# Altium PCB Minion.PcbDoc (part 9 of 10)
Units mm, origin at the board's own origin, x right, y up, seen from the top; angles counter-clockwise.
Board outline 250 x 250 mm, 4 copper layers (Top Layer, Mid-Top Layer, Mid-Bottom Layer, Bottom Layer); 557 components, 153 nets, 5229 pads, 7984 vias.
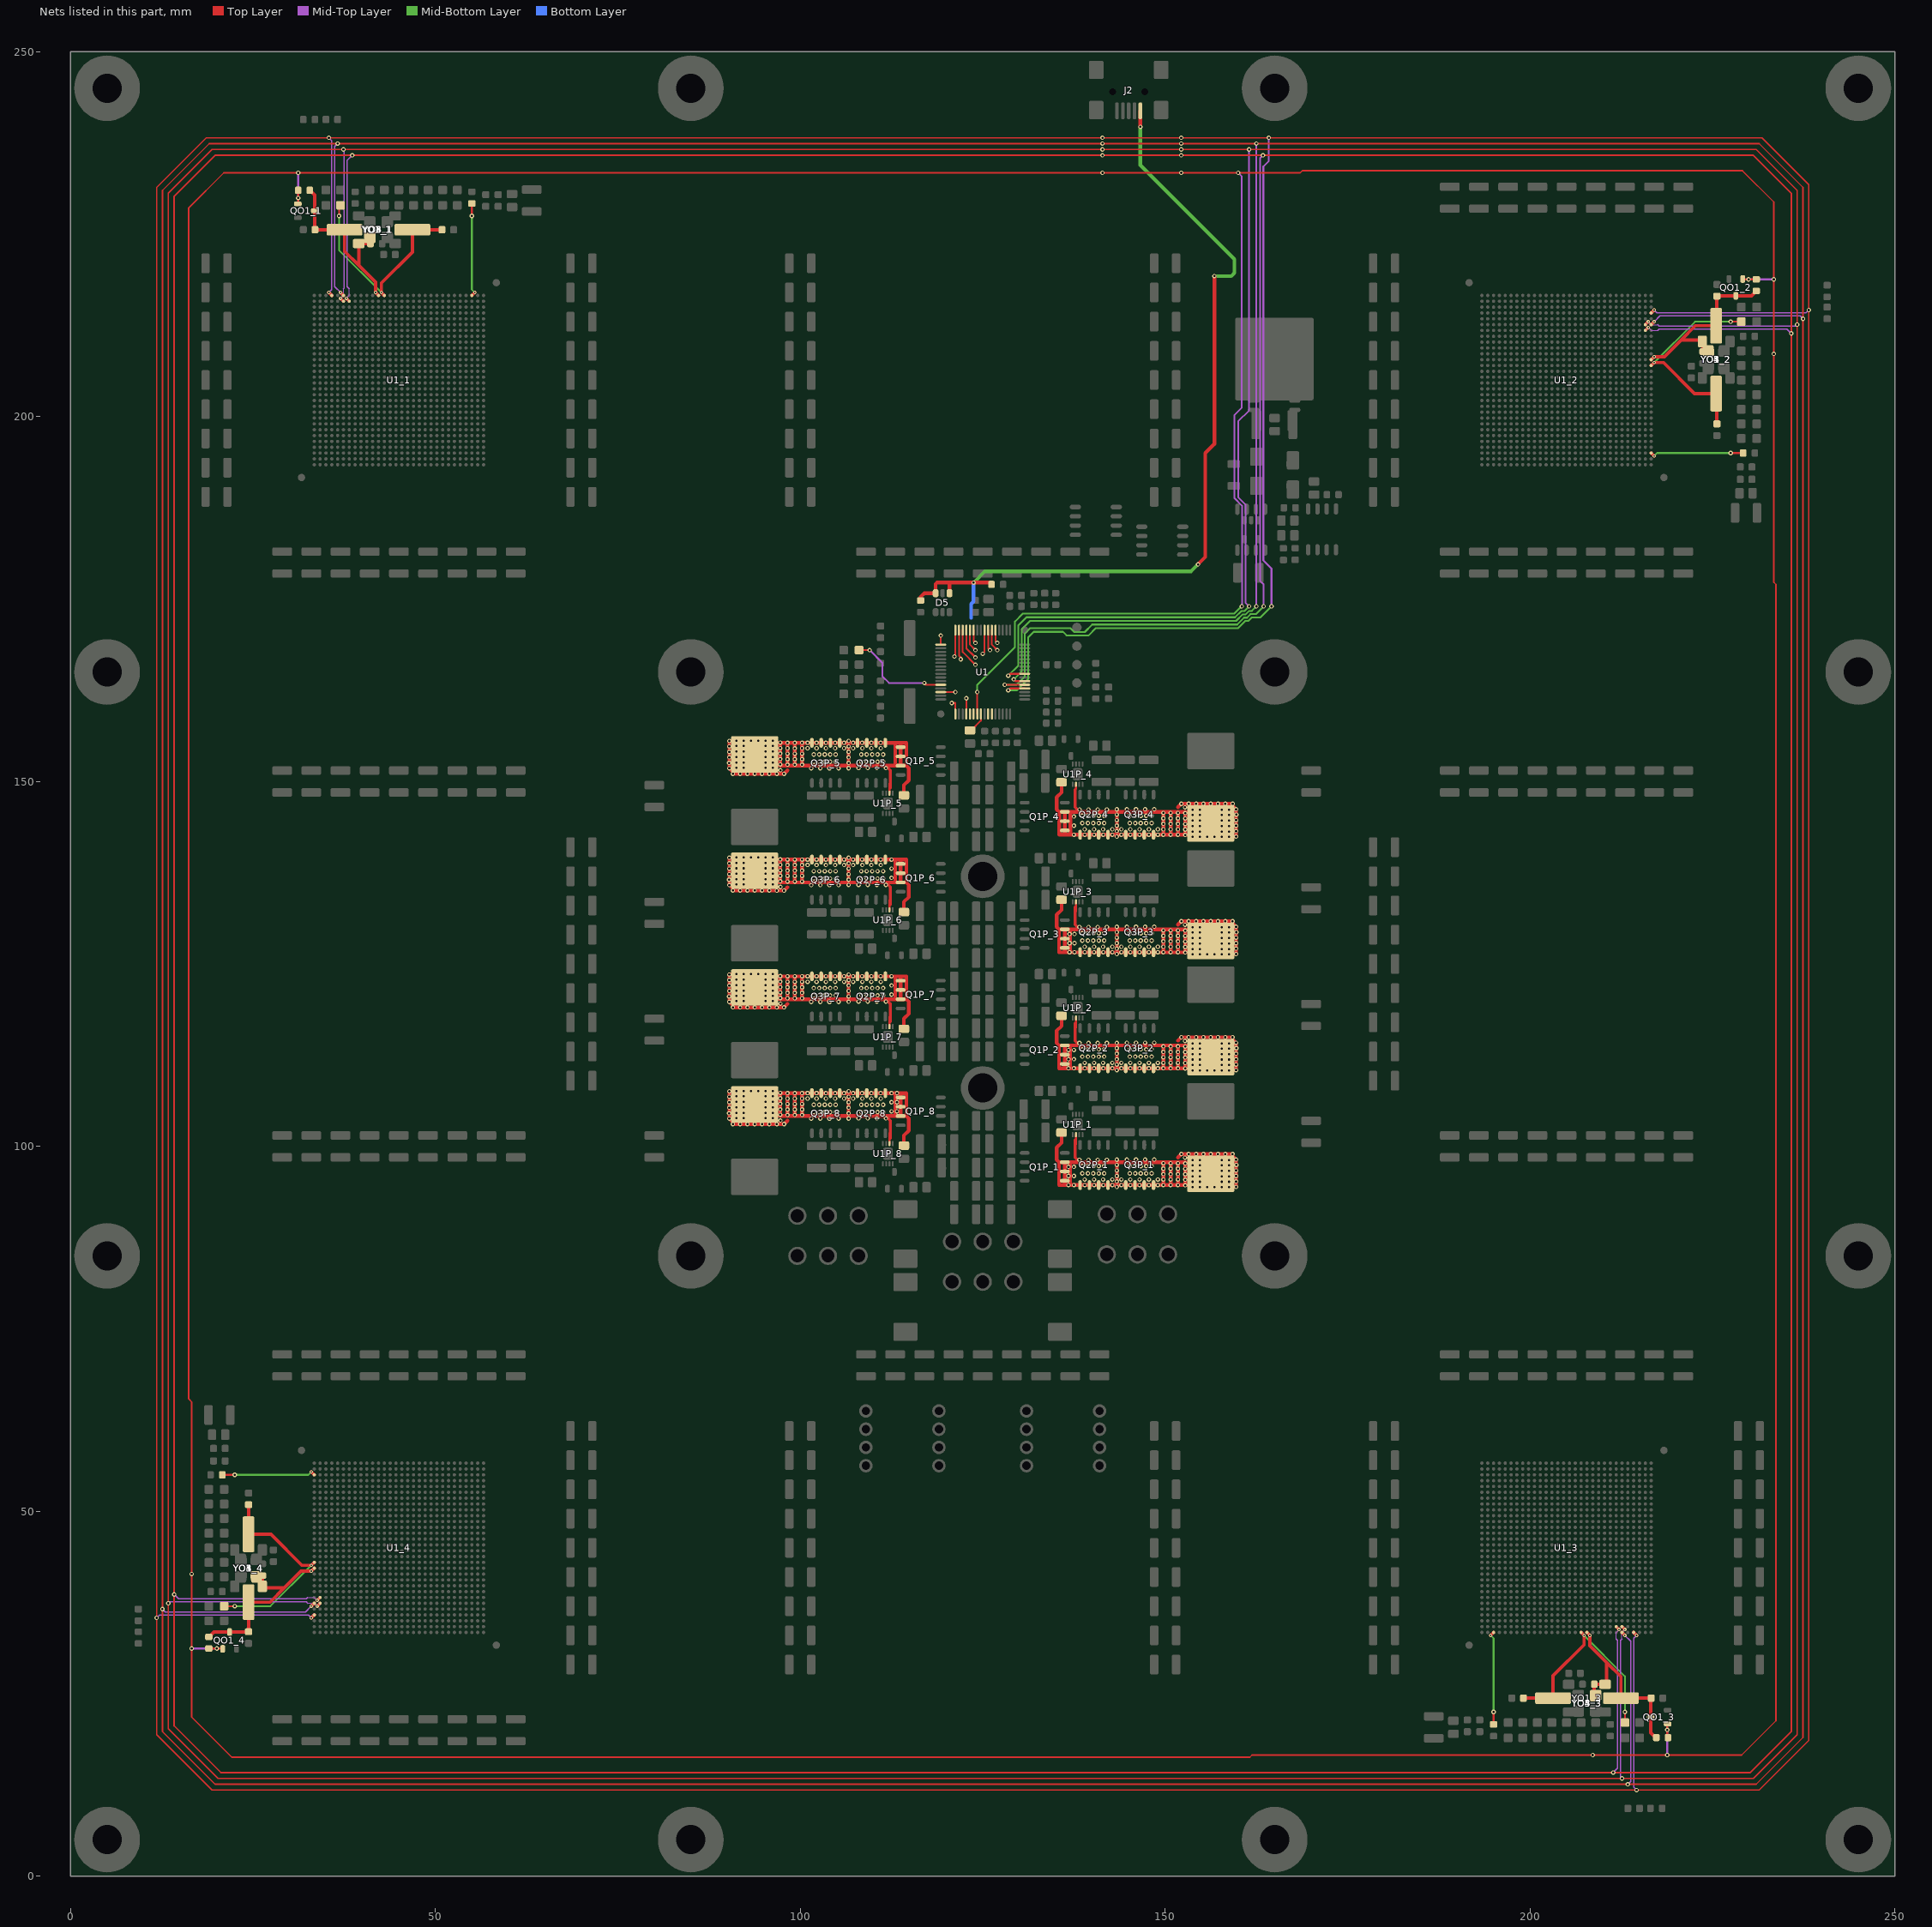
[diagram p11: the nets of this part, all layers, seen from the top]

## Via types
v1: diameter 0.6, hole 0.3, Top Layer to Bottom Layer, tented both sides, 4384 vias
v2: diameter 0.45, hole 0.2, Top Layer to Bottom Layer, tented both sides, 3600 vias

## Nets (pads, with @x,y where several pads share a name; then routed paths per layer and width w, separated by ;. In a path a pad name is that pad's centre, name@x,y a point inside that pad or via, vN(x,y) a via of type N, cw(c..) or ccw(c..) an arc to the next point about the centre after c; other vN are vias at no path point) (continued)
SPI_CS: U1.8 U1_1.AJ25 U1_2.AJ25 U1_3.AJ25 U1_4.AJ25 | length 1070.6
  Top Layer w0.2: 13.4,20.2 20.2,13.4 v1(212.6,13.4) 230.6,13.4 236.6,19.4 236.6,231 231,236.6 v1(141.4,236.6) v1(37.4,236.6) 19.4,236.6 13.4,230.6 v1(13.4,37.4) 13.4,20.2
  Top Layer w0.25: v1(128.5,164.5) 128.75,164.75 U1.8@130.75,164.75
  Mid-Top Layer w0.1: 32.5,37.4 33.4,37.4 v2(33.8,37) ; v2(37,216.2) 37.4,216.6 37.4,217.5 ; 212.6,33.4 v2(213,33.8) 212.6,33.4 ; 212.6,33.4 212.6,32.5 212.6,33.4 ; 216.6,212.6 v2(216.2,213) 216.6,212.6 ; 216.6,212.6 217.5,212.6 216.6,212.6
  Mid-Top Layer w0.2: v1(13.4,37.4) 13.6,37.6 32.3,37.6 32.5,37.4 ; 37.4,217.5 37.5,217.6 37.5,236.5 v1(37.4,236.6) ; v1(212.6,13.4) 212.4,13.6 212.4,32.3 212.6,32.5 ; 217.5,212.6 217.7,212.4 236.4,212.4 v1(236.6,212.6)
  Mid-Top Layer w0.25: v1(161.5,174) 161,174.5 161,187.936 160,188.936 160,199.34 161.5,200.84 v1(161.5,236.6)
  Mid-Bottom Layer w0.25: v1(128.5,164.5) 129.875,165.875 129.875,171.375 131,172.5 159.591,172.5 160.441,173.35 160.85,173.35 v1(161.5,174)
  other v1: 152.2,236.6
SPI_MISO: U1.5 U1_1.AJ24 U1_2.AJ24 U1_3.AJ24 U1_4.AJ24 | length 1066
  Top Layer w0.2: 140.6,235.8 v1(163.4,235.8) 230.6,235.8 235.8,230.6 235.8,19.8 230.2,14.2 v1(211.4,14.2) 20.6,14.2 14.2,20.6 v1(14.2,38.6) 14.2,230.2 19.8,235.8 v1(38.6,235.8) v1(141.4,235.8)
  Top Layer w0.25: v1(128,163.25) U1.5@130.75,163.25
  Mid-Top Layer w0.1: 32.5,38.2 33.4,38.2 v2(33.8,37.8) ; v2(37.8,216.2) 38.2,216.6 38.2,217.5 ; 211.8,33.4 v2(212.2,33.8) 211.8,33.4 ; 211.8,33.4 211.8,32.5 211.8,33.4 ; 216.6,211.8 217.5,211.8 216.6,211.8 ; 216.6,211.8 v2(216.2,212.2) 216.6,211.8
  Mid-Top Layer w0.2: v1(14.2,38.6) 14.8,38 32.3,38 32.5,38.2 ; 38.2,217.5 37.9,217.8 37.9,235.1 v1(38.6,235.8) ; v1(211.4,14.2) 212,14.8 212,32.3 211.8,32.5 ; 217.5,211.8 217.7,212 235.2,212 v1(235.8,211.4)
  Mid-Top Layer w0.25: v1(163.4,235.8) 163,235.4 163,177.5 163.5,177 v1(163.5,174)
  Mid-Bottom Layer w0.25: v1(128,163.25) 129.65,163.25 130.775,164.375 130.775,170.275 131.5,171 137,171 137.525,170.475 138.975,170.475 140,171.5 159.864,171.5 160.814,172.45 161.223,172.45 161.698,172.925 162.425,172.925 v1(163.5,174)
  other v1: 152.2,235.8
SPI_MOSI: U1.6 U1_1.AK25 U1_2.AK25 U1_3.AK25 U1_4.AK25 | length 1114
  Top Layer w0.2: 12.6,19.8 19.8,12.6 v1(213.4,12.6) 231,12.6 237.4,19 237.4,231.4 231.4,237.4 v1(141.4,237.4) v1(36.6,237.4) 19,237.4 12.6,231 v1(12.6,36.6) 12.6,19.8
  Top Layer w0.25: v1(129.25,164) 129.5,163.75 U1.6@130.75,163.75
  Mid-Top Layer w0.2: v1(12.6,36.6) 13,36.2 32.2,36.2 v2(33,37) ; v1(36.6,237.4) 36.2,237 36.2,217.8 v2(37,217) ; v1(213.4,12.6) 213.8,13 ; 237,213.8 217.8,213.8 v2(217,213) 217.8,213.8 237,213.8 v1(237.4,213.4) ; 213.8,13 213.8,32.2 ; 213.8,13 213.8,32.2 ; 213.8,32.2 v2(213,33) 213.8,32.2
  Mid-Top Layer w0.25: v1(162.5,174) v1(162.5,237.4)
  Mid-Bottom Layer w0.25: v1(129.25,164) 130.325,165.075 130.325,170.825 131.5,172 159.727,172 160.627,172.9 161.036,172.9 161.511,173.375 161.875,173.375 v1(162.5,174)
  other v1: 152.2,237.4
SPI_SCK: U1.4 U1_1.AK27 U1_2.AK27 U1_3.AK27 U1_4.AK27 | length 1129.4
  Top Layer w0.2: 11.8,19.4 19.4,11.8 v1(214.6,11.8) 231.4,11.8 238.2,18.6 238.2,231.8 231.8,238.2 v1(141.4,238.2) v1(35.4,238.2) 18.6,238.2 11.8,231.4 v1(11.8,35.4) 11.8,19.4
  Top Layer w0.25: v1(128.5,162.5) 128.75,162.75 U1.4@130.75,162.75
  Mid-Top Layer w0.2: v1(11.8,35.4) 12.2,35.8 32.6,35.8 v2(33,35.4) ; v2(35.4,217) 35.8,217.4 35.8,237.8 v1(35.4,238.2) ; v1(214.6,11.8) 214.2,12.2 ; v1(238.2,214.6) 237.8,214.2 ; 214.2,12.2 214.2,32.6 ; 214.2,12.2 214.2,32.6 ; 214.2,32.6 v2(214.6,33) 214.2,32.6 ; 217.4,214.2 v2(217,214.6) 217.4,214.2 ; 217.4,214.2 237.8,214.2 ; 217.4,214.2 237.8,214.2
  Mid-Top Layer w0.25: v1(164.2,238.2) 164.2,235 163.45,234.25 163.45,180.284 164.57,179.164 v1(164.57,174)
  Mid-Bottom Layer w0.25: v1(128.5,162.5) 129.7,162.5 131.225,164.025 131.225,169.725 132,170.5 136,170.5 136.475,170.025 139.525,170.025 140.5,171 160,171 161,172 161.409,172 161.884,172.475 163.045,172.475 v1(164.57,174)
  other v1: 152.2,238.2
SWN1: C3P_1.2 L1P_1.1 pad.0@136.25,96.565 Q1P_1.1 Q1P_1.2 Q1P_1.3 Q2P_1.5 Q2P_1.6 Q2P_1.7 Q2P_1.8 Q3P_1.5 Q3P_1.6 Q3P_1.7 Q3P_1.8 U1P_1.2 | length 111
  Top Layer w0.25: 137.67,100.15 137.775,100.255 U1P_1.2@137.775,101.6
  Top Layer w0.4: 137.675,98.475 138.315,97.835 138.5,97.65
  Top Layer w0.45: 137.67,98.48 137.67,100.15 137.67,100.855
  Top Layer w0.5: C3P_1.2@135.8,101.9 135.8,100.5 135.125,99.825 135.125,98.182 135.472,97.835 ; v1@137,94.855 137,97.835 ; 151.75,98.475 v1(152.225,98.95) v1(154.25,98.95) v1(155.25,98.95) v1(156.25,98.95) v1(157.25,98.95) v1(158.25,98.95) 158.975,98.95 v1(159.725,98.2) v1(159.725,96.7) v1(159.725,95.95) v1(159.725,95.2) v1(159.725,94.45) 158.025,94.45 L1P_1.1@156.25,96.225 L1P_1.1@154.725,94.7 ; v1@152.75,94.7 v1(151.75,94.7) ; v1@152.75,97.835 v1@151.75,97.835 ; v1(153.75,94.4) L1P_1.1@153.75,97.535 ; L1P_1.1@154.64,97.81 152.75,97.81 v1(152.75,94.675) L1P_1.1@154.725,94.675 ; v1(154.75,94.4) L1P_1.1@154.75,97.535 ; v1(154.75,98.1) L1P_1.1@156.75,98.1 ; v1(157.75,94.4) L1P_1.1@157.75,97.535 ; L1P_1.1@158.36,96.49 L1P_1.1@156.75,98.1 ; v1(158.75,94.4) L1P_1.1@158.75,97.535 ; L1P_1.1@159.475,98.1 v1(158.75,98.1) v1(157.75,98.1) L1P_1.1@156.75,98.1 ; 135.472,97.835 Q1P_1.3@136.25,97.835 ; 135.472,97.835 135.472,94.7 136.25,94.7 ; 136.25,94.7 v1@143.378,94.7 ; 136.25,94.7 Q1P_1.2@136.25,96.565 Q1P_1.3@136.25,97.835 ; Q1P_1.3@136.25,97.835 137,97.835 ; 137,97.835 138.315,97.835 143.378,97.835 ; v1@143.378,94.7 143.378,97.835 ; v1@143.378,94.7 v1(149.75,94.7) ; 143.378,97.835 v1@149.75,97.835 ; v1(149.75,94.7) v1@149.75,97.835 ; v1(149.75,94.7) v1(150.75,94.7) ; v1@149.75,97.835 v1@150.75,97.835 ; v1(150.75,94.7) v1@150.75,97.835 ; v1(150.75,94.7) v1(151.75,94.7) ; v1@150.75,97.835 v1@151.75,97.835 ; v1(151.75,94.7) v1@151.75,97.835
  other v1: 155.75,94.4 156.75,94.4 143.378,94.45 136.75,94.7 137.5,94.7 138.985,94.7 140.255,94.7 141.525,94.7 142.75,94.7 144,94.7 145.23,94.7 146.5,94.7 147.77,94.7 149,94.7 153.75,95.15 154.75,95.15 157.75,95.15 158.75,95.15 143.378,95.2 152.75,95.425 138.975,95.45 140.255,95.45 141.5,95.45 142.75,95.45 144,95.45 145.23,95.45 146.5,95.45 147.77,95.45 149,95.45 149.75,95.45 150.75,95.45 151.75,95.45 153.75,95.9 154.75,95.9 157.75,95.9 158.75,95.9 136.75,95.95 137.5,95.95 143.378,95.95 152.75,96.175 149.75,96.2 150.75,96.2 151.75,96.2 138.65,96.3 139.4,96.3 140.15,96.3 140.9,96.3 141.65,96.3 145.15,96.3 145.9,96.3 146.65,96.3 147.4,96.3 148.15,96.3 153.75,96.65 154.75,96.65 157.75,96.65 158.75,96.65 143.378,96.7 152.75,96.925 149.75,96.95 150.75,96.95 151.75,96.95 136.75,97.2 137.5,97.2 138.65,97.3 139.4,97.3 140.15,97.3 140.9,97.3 141.65,97.3 145.15,97.3 145.9,97.3 146.65,97.3 147.4,97.3 148.15,97.3 153.75,97.4 154.75,97.4 157.75,97.4 158.75,97.4 143.378,97.45 159.75,97.45 152.75,97.675 149.75,97.7 150.75,97.7 151.75,97.7 153.75,98.1 138.255,98.165 139.505,98.165 140.755,98.165 142.005,98.165 143.378,98.182 144.75,98.2 146,98.2 147.25,98.2 148.5,98.2 152.725,98.45 153.225,98.95 159.25,98.95
SWN2: C3P_2.2 L1P_2.1 pad.0@136.25,112.565 Q1P_2.1 Q1P_2.2 Q1P_2.3 Q2P_2.5 Q2P_2.6 Q2P_2.7 Q2P_2.8 Q3P_2.5 Q3P_2.6 Q3P_2.7 Q3P_2.8 U1P_2.2 | length 110.9
  Top Layer w0.25: 137.775,116.28 U1P_2.2@137.775,117.625
  Top Layer w0.4: 137.675,114.475 138.315,113.835 138.5,113.65
  Top Layer w0.45: 137.67,114.48 137.67,116.855
  Top Layer w0.5: C3P_2.2@135.8,117.9 135.8,116.5 135.125,115.825 135.125,114.182 135.472,113.835 ; v1@137,110.855 137,113.835 ; 151.75,114.475 152.225,114.95 v1(154.25,114.95) v1(155.25,114.95) v1(156.25,114.95) v1(157.25,114.95) v1(158.25,114.95) 158.975,114.95 v1(159.725,114.2) v1(159.725,112.7) v1(159.725,111.95) v1(159.725,111.2) v1(159.725,110.45) 158.025,110.45 L1P_2.1@156.25,112.225 L1P_2.1@154.725,110.7 ; v1@152.75,110.7 v1(151.75,110.7) ; v1@152.75,113.835 v1@151.75,113.835 ; v1(153.75,110.4) L1P_2.1@153.75,113.535 ; L1P_2.1@154.64,113.81 152.75,113.81 v1(152.75,110.675) L1P_2.1@154.725,110.675 ; v1(154.75,110.4) L1P_2.1@154.75,113.535 ; v1(154.75,114.1) 155.75,114.1 L1P_2.1@156.75,114.1 ; v1(157.75,110.4) L1P_2.1@157.75,113.535 ; L1P_2.1@158.36,112.49 L1P_2.1@156.75,114.1 ; v1(158.75,110.4) L1P_2.1@158.75,113.535 ; L1P_2.1@159.475,114.1 v1(158.75,114.1) v1(157.75,114.1) L1P_2.1@156.75,114.1 ; 135.472,113.835 135.472,110.7 136.25,110.7 ; 135.472,113.835 Q1P_2.3@136.25,113.835 ; 136.25,110.7 136.25,111.295 pad.0@136.25,112.565 Q1P_2.3@136.25,113.835 ; 136.25,110.7 Q2P_2.5@138.35,110.7 Q2P_2.6@139.62,110.7 Q2P_2.7@140.89,110.7 Q2P_2.8@142.16,110.7 v1@143.378,110.7 ; Q1P_2.3@136.25,113.835 137,113.835 ; 137,113.835 138.315,113.835 143.378,113.835 ; v1@143.378,110.7 Q3P_2.5@144.595,110.7 Q3P_2.6@145.865,110.7 Q3P_2.7@147.135,110.7 Q3P_2.8@148.405,110.7 v1(149.75,110.7) ; v1@143.378,110.7 143.378,113.835 ; 143.378,113.835 v1@149.75,113.835 ; v1(149.75,110.7) v1(150.75,110.7) ; v1(149.75,110.7) v1@149.75,113.835 ; v1@149.75,113.835 v1@150.75,113.835 ; v1(150.75,110.7) v1(151.75,110.7) ; v1(150.75,110.7) v1@150.75,113.835 ; v1@150.75,113.835 v1@151.75,113.835 ; v1(151.75,110.7) v1@151.75,113.835
  other v1: 155.75,110.4 156.75,110.4 143.378,110.45 136.75,110.7 137.5,110.7 138.985,110.7 140.255,110.7 141.525,110.7 142.75,110.7 144,110.7 145.23,110.7 146.5,110.7 147.77,110.7 149,110.7 153.75,111.15 154.75,111.15 157.75,111.15 158.75,111.15 143.378,111.2 152.75,111.425 138.975,111.45 140.255,111.45 141.5,111.45 142.75,111.45 144,111.45 145.23,111.45 146.5,111.45 147.77,111.45 149,111.45 149.75,111.45 150.75,111.45 151.75,111.45 153.75,111.9 154.75,111.9 157.75,111.9 158.75,111.9 136.75,111.95 137.5,111.95 143.378,111.95 152.75,112.175 149.75,112.2 150.75,112.2 151.75,112.2 138.65,112.3 139.4,112.3 140.15,112.3 140.9,112.3 141.65,112.3 145.15,112.3 145.9,112.3 146.65,112.3 147.4,112.3 148.15,112.3 153.75,112.65 154.75,112.65 157.75,112.65 158.75,112.65 143.378,112.7 152.75,112.925 149.75,112.95 150.75,112.95 151.75,112.95 136.75,113.2 137.5,113.2 138.65,113.3 139.4,113.3 140.15,113.3 140.9,113.3 141.65,113.3 145.15,113.3 145.9,113.3 146.65,113.3 147.4,113.3 148.15,113.3 153.75,113.4 154.75,113.4 157.75,113.4 158.75,113.4 143.378,113.45 159.75,113.45 152.75,113.675 149.75,113.7 150.75,113.7 151.75,113.7 153.75,114.1 138.255,114.165 139.505,114.165 140.755,114.165 142.005,114.165 143.378,114.182 144.75,114.2 146,114.2 147.25,114.2 148.5,114.2 152.725,114.45 152.225,114.95 153.225,114.95 159.25,114.95
SWN3: C3P_3.2 L1P_3.1 pad.0@136.25,128.465 Q1P_3.1 Q1P_3.2 Q1P_3.3 Q2P_3.5 Q2P_3.6 Q2P_3.7 Q2P_3.8 Q3P_3.5 Q3P_3.6 Q3P_3.7 Q3P_3.8 U1P_3.2 | length 110.9
  Top Layer w0.25: 137.775,132.18 U1P_3.2@137.775,133.525
  Top Layer w0.4: 137.675,130.375 138.315,129.735 138.5,129.55
  Top Layer w0.45: 137.67,130.38 137.67,132.755
  Top Layer w0.5: C3P_3.2@135.8,133.8 135.8,132.4 135.125,131.725 135.125,130.082 135.472,129.735 ; v1@137,126.755 137,129.735 ; 151.75,130.375 v1(152.225,130.85) v1(154.25,130.85) v1(155.25,130.85) v1(156.25,130.85) v1(157.25,130.85) v1(158.25,130.85) 158.975,130.85 v1(159.725,130.1) v1(159.725,128.6) v1(159.725,127.85) v1(159.725,127.1) v1(159.725,126.35) 158.025,126.35 156.25,128.125 L1P_3.1@154.725,126.6 ; v1@152.75,126.6 v1(151.75,126.6) ; v1@152.75,129.735 v1@151.75,129.735 ; v1(153.75,126.3) L1P_3.1@153.75,129.435 ; L1P_3.1@154.64,129.71 152.75,129.71 v1(152.75,126.575) L1P_3.1@154.725,126.575 ; v1(154.75,126.3) L1P_3.1@154.75,129.435 ; v1(154.75,130) 155.75,130 L1P_3.1@156.75,130 ; v1(157.75,126.3) L1P_3.1@157.75,129.435 ; L1P_3.1@158.36,128.39 L1P_3.1@156.75,130 ; v1(158.75,126.3) L1P_3.1@158.75,129.435 ; L1P_3.1@159.475,130 v1(158.75,130) v1(157.75,130) L1P_3.1@156.75,130 ; 135.472,129.735 135.472,126.6 136.25,126.6 ; 135.472,129.735 Q1P_3.3@136.25,129.735 ; 136.25,126.6 Q1P_3.1@136.25,127.195 Q1P_3.2@136.25,128.465 Q1P_3.3@136.25,129.735 ; 136.25,126.6 Q2P_3.5@138.35,126.6 Q2P_3.6@139.62,126.6 Q2P_3.7@140.89,126.6 Q2P_3.8@142.16,126.6 v1@143.378,126.6 ; Q1P_3.3@136.25,129.735 137,129.735 ; 137,129.735 138.315,129.735 143.378,129.735 ; v1@143.378,126.6 Q3P_3.5@144.595,126.6 Q3P_3.6@145.865,126.6 Q3P_3.7@147.135,126.6 Q3P_3.8@148.405,126.6 v1(149.75,126.6) ; v1@143.378,126.6 143.378,129.735 ; 143.378,129.735 v1@149.75,129.735 ; v1(149.75,126.6) v1(150.75,126.6) ; v1(149.75,126.6) v1@149.75,129.735 ; v1@149.75,129.735 v1@150.75,129.735 ; v1(150.75,126.6) v1(151.75,126.6) ; v1(150.75,126.6) v1@150.75,129.735 ; v1@150.75,129.735 v1@151.75,129.735 ; v1(151.75,126.6) v1@151.75,129.735
  other v1: 155.75,126.3 156.75,126.3 143.378,126.35 136.9,126.6 137.575,126.6 138.985,126.6 140.255,126.6 141.525,126.6 142.75,126.6 144,126.6 145.23,126.6 146.5,126.6 147.77,126.6 149,126.6 153.75,127.05 154.75,127.05 157.75,127.05 158.75,127.05 143.378,127.1 152.75,127.325 138.975,127.35 140.255,127.35 141.5,127.35 142.75,127.35 144,127.35 145.23,127.35 146.5,127.35 147.77,127.35 149,127.35 149.75,127.35 150.75,127.35 151.75,127.35 153.75,127.8 154.75,127.8 157.75,127.8 158.75,127.8 136.9,127.85 137.575,127.85 143.378,127.85 152.75,128.075 149.75,128.1 150.75,128.1 151.75,128.1 138.65,128.2 139.4,128.2 140.15,128.2 140.9,128.2 141.65,128.2 145.15,128.2 145.9,128.2 146.65,128.2 147.4,128.2 148.15,128.2 153.75,128.55 154.75,128.55 157.75,128.55 158.75,128.55 143.378,128.6 152.75,128.825 149.75,128.85 150.75,128.85 151.75,128.85 136.9,129.1 137.575,129.1 138.65,129.2 139.4,129.2 140.15,129.2 140.9,129.2 141.65,129.2 145.15,129.2 145.9,129.2 146.65,129.2 147.4,129.2 148.15,129.2 153.75,129.3 154.75,129.3 157.75,129.3 158.75,129.3 143.378,129.35 159.75,129.35 152.75,129.575 149.75,129.6 150.75,129.6 151.75,129.6 153.75,130 138.255,130.065 139.505,130.065 140.755,130.065 142.005,130.065 143.378,130.082 144.75,130.1 146,130.1 147.25,130.1 148.5,130.1 152.725,130.35 153.225,130.85 159.25,130.85
SWN4: C3P_4.2 L1P_4.1 pad.0@136.251,144.565 Q1P_4.1 Q1P_4.2 Q1P_4.3 Q2P_4.5 Q2P_4.6 Q2P_4.7 Q2P_4.8 Q3P_4.5 Q3P_4.6 Q3P_4.7 Q3P_4.8 U1P_4.2 | length 110.3
  Top Layer w0.25: 137.671,148.855 137.775,148.959 U1P_4.2@137.775,149.6
  Top Layer w0.4: 137.676,146.475 138.316,145.835 138.501,145.65
  Top Layer w0.45: 137.671,146.48 137.671,148.855
  Top Layer w0.5: C3P_4.2@135.8,149.9 135.8,148.5 135.126,147.825 135.126,146.182 135.473,145.835 ; 137,142.855 137,145.835 ; 151.75,146.475 v1(152.225,146.95) v1(154.25,146.95) v1(155.25,146.95) v1(156.25,146.95) v1(157.25,146.95) v1(158.25,146.95) 158.975,146.95 v1(159.725,146.2) v1(159.725,144.7) v1(159.725,143.95) v1(159.725,143.2) v1(159.725,142.45) 158.025,142.45 L1P_4.1@156.25,144.225 L1P_4.1@154.725,142.7 ; v1@152.75,142.7 v1(151.75,142.7) ; v1@152.75,145.835 v1@151.75,145.835 ; v1(153.75,142.4) L1P_4.1@153.75,145.535 ; L1P_4.1@154.64,145.81 152.75,145.81 v1(152.75,142.675) L1P_4.1@154.725,142.675 ; v1(154.75,142.4) L1P_4.1@154.75,145.535 ; v1(154.75,146.1) L1P_4.1@156.75,146.1 ; v1(157.75,142.4) L1P_4.1@157.75,145.535 ; L1P_4.1@158.36,144.49 L1P_4.1@156.75,146.1 ; v1(158.75,142.4) L1P_4.1@158.75,145.535 ; L1P_4.1@159.475,146.1 v1(158.75,146.1) v1(157.75,146.1) L1P_4.1@156.75,146.1 ; 135.473,145.835 135.473,142.7 136.25,142.7 ; 135.473,145.835 Q1P_4.3@136.251,145.835 ; 136.251,142.7 Q1P_4.1@136.251,143.295 Q1P_4.2@136.251,144.565 Q1P_4.3@136.251,145.835 ; 136.251,142.7 v1@143.378,142.7 ; Q1P_4.3@136.251,145.835 137,145.835 ; 137,145.835 138.316,145.835 143.378,145.835 ; v1@143.378,142.7 143.378,145.835 ; v1@143.378,142.7 v1(149.75,142.7) ; 143.378,145.835 v1@149.75,145.835 ; v1(149.75,142.7) v1(150.75,142.7) ; v1(149.75,142.7) v1@149.75,145.835 ; v1@149.75,145.835 v1@150.75,145.835 ; v1(150.75,142.7) v1(151.75,142.7) ; v1(150.75,142.7) v1@150.75,145.835 ; v1@150.75,145.835 v1@151.75,145.835 ; v1(151.75,142.7) v1@151.75,145.835
  other v1: 155.75,142.4 156.75,142.4 143.378,142.45 137.5,142.7 138.986,142.7 140.256,142.7 141.526,142.7 142.75,142.7 144,142.7 145.23,142.7 146.5,142.7 147.77,142.7 149,142.7 153.75,143.15 154.75,143.15 157.75,143.15 158.75,143.15 143.378,143.2 152.75,143.425 138.976,143.45 140.256,143.45 141.5,143.45 142.75,143.45 144,143.45 145.23,143.45 146.5,143.45 147.77,143.45 149,143.45 149.75,143.45 150.75,143.45 151.75,143.45 153.75,143.9 154.75,143.9 157.75,143.9 158.75,143.9 137.5,143.95 143.378,143.95 152.75,144.175 149.75,144.2 150.75,144.2 151.75,144.2 138.65,144.3 139.4,144.3 140.15,144.3 140.9,144.3 141.65,144.3 145.15,144.3 145.9,144.3 146.65,144.3 147.4,144.3 148.15,144.3 153.75,144.65 154.75,144.65 157.75,144.65 158.75,144.65 143.378,144.7 152.75,144.925 149.75,144.95 150.75,144.95 151.75,144.95 137.5,145.2 138.65,145.3 139.4,145.3 140.15,145.3 140.9,145.3 141.65,145.3 145.15,145.3 145.9,145.3 146.65,145.3 147.4,145.3 148.15,145.3 153.75,145.4 154.75,145.4 157.75,145.4 158.75,145.4 143.378,145.45 159.75,145.45 152.75,145.675 149.75,145.7 150.75,145.7 151.75,145.7 153.75,146.1 138.256,146.165 139.506,146.165 140.756,146.165 142.006,146.165 143.378,146.182 144.75,146.2 146,146.2 147.25,146.2 148.5,146.2 152.725,146.45 153.225,146.95 159.25,146.95
SWN5: C3P_5.2 L1P_5.1 pad.0@113.75,153.435 Q1P_5.1 Q1P_5.2 Q1P_5.3 Q2P_5.5 Q2P_5.6 Q2P_5.7 Q2P_5.8 Q3P_5.5 Q3P_5.6 Q3P_5.7 Q3P_5.8 U1P_5.2 | length 111
  Top Layer w0.25: U1P_5.2@112.225,148.4 112.225,149.746 112.33,149.85
  Top Layer w0.4: 111.5,152.35 111.685,152.165 112.324,151.525
  Top Layer w0.45: 112.33,149.145 112.33,149.85 112.33,151.52
  Top Layer w0.5: L1P_5.1@90.525,151.9 v1(91.25,151.9) v1(92.25,151.9) L1P_5.1@93.25,151.9 ; L1P_5.1@91.25,152.465 v1(91.25,155.6) ; L1P_5.1@91.64,153.51 L1P_5.1@93.25,151.9 ; L1P_5.1@92.25,152.465 v1(92.25,155.6) ; v1(95.25,151.9) L1P_5.1@93.25,151.9 ; L1P_5.1@95.25,152.465 v1(95.25,155.6) ; L1P_5.1@95.275,155.3 93.75,153.775 91.975,155.55 v1(90.275,155.55) v1(90.275,154.8) v1(90.275,154.05) v1(90.275,153.3) v1(90.275,151.8) 91.025,151.05 v1(91.75,151.05) v1(92.75,151.05) v1(93.75,151.05) v1(94.75,151.05) v1(95.75,151.05) v1(97.775,151.05) 98.25,151.525 ; L1P_5.1@95.275,155.325 v1(97.25,155.325) 97.25,152.19 L1P_5.1@95.36,152.19 ; L1P_5.1@96.25,152.465 v1(96.25,155.6) ; v1@97.25,152.165 v1@98.25,152.165 ; v1@97.25,155.3 v1(98.25,155.3) ; v1(99.25,155.3) v1@99.25,152.165 ; 113,155.145 113,152.165 ; 113.75,155.3 114.528,155.3 114.528,152.165 ; C3P_5.2@114.2,148.1 114.2,149.5 114.875,150.175 114.875,151.818 114.528,152.165 ; v1@98.25,152.165 v1@99.25,152.165 ; v1@98.25,152.165 v1(98.25,155.3) ; v1(98.25,155.3) v1(99.25,155.3) v1(100.25,155.3) ; v1@99.25,152.165 v1@100.25,152.165 ; v1@100.25,152.165 106.622,152.165 ; v1@100.25,152.165 v1(100.25,155.3) ; v1(100.25,155.3) v1@106.622,155.3 ; 106.622,152.165 111.685,152.165 113,152.165 ; 106.622,152.165 v1@106.622,155.3 ; v1@106.622,155.3 113.75,155.3 pad.0@113.75,153.435 Q1P_5.3@113.75,152.165 ; 113,152.165 Q1P_5.3@113.75,152.165 ; Q1P_5.3@113.75,152.165 114.528,152.165
  other v1: 90.75,151.05 96.775,151.05 97.275,151.55 101.5,151.8 102.75,151.8 104,151.8 105.25,151.8 106.622,151.818 107.995,151.836 109.245,151.836 110.495,151.836 111.745,151.836 96.25,151.9 98.25,152.3 99.25,152.3 100.25,152.3 97.25,152.325 90.25,152.55 106.622,152.55 91.25,152.6 92.25,152.6 95.25,152.6 96.25,152.6 101.85,152.7 102.6,152.7 103.35,152.7 104.1,152.7 104.85,152.7 108.35,152.7 109.1,152.7 109.85,152.7 110.6,152.7 111.35,152.7 98.25,153.05 99.25,153.05 100.25,153.05 97.25,153.075 106.622,153.3 91.25,153.35 92.25,153.35 95.25,153.35 96.25,153.35 101.85,153.7 102.6,153.7 103.35,153.7 104.1,153.7 104.85,153.7 108.35,153.7 109.1,153.7 109.85,153.7 110.6,153.7 111.35,153.7 98.25,153.8 99.25,153.8 100.25,153.8 97.25,153.825 106.622,154.05 91.25,154.1 92.25,154.1 95.25,154.1 96.25,154.1 98.25,154.55 99.25,154.55 100.25,154.55 101,154.55 102.23,154.55 103.5,154.55 104.77,154.55 106,154.55 107.25,154.55 108.5,154.55 109.745,154.55 111.025,154.55 97.25,154.575 106.622,154.8 91.25,154.85 92.25,154.85 95.25,154.85 96.25,154.85 101,155.3 102.23,155.3 103.5,155.3 104.77,155.3 106,155.3 107.25,155.3 108.475,155.3 109.745,155.3 111.015,155.3 106.622,155.55 93.25,155.6 94.25,155.6
SWN6: C3P_6.2 L1P_6.1 pad.0@113.75,137.435 Q1P_6.1 Q1P_6.2 Q1P_6.3 Q2P_6.5 Q2P_6.6 Q2P_6.7 Q2P_6.8 Q3P_6.5 Q3P_6.6 Q3P_6.7 Q3P_6.8 U1P_6.2 | length 110.9
  Top Layer w0.25: U1P_6.2@112.225,132.375 112.225,133.721
  Top Layer w0.4: 111.5,136.35 111.685,136.165 112.324,135.525